# Allegro board AM335x_ICE_3H0013_PCB_REV_2_1A.brd (continued)
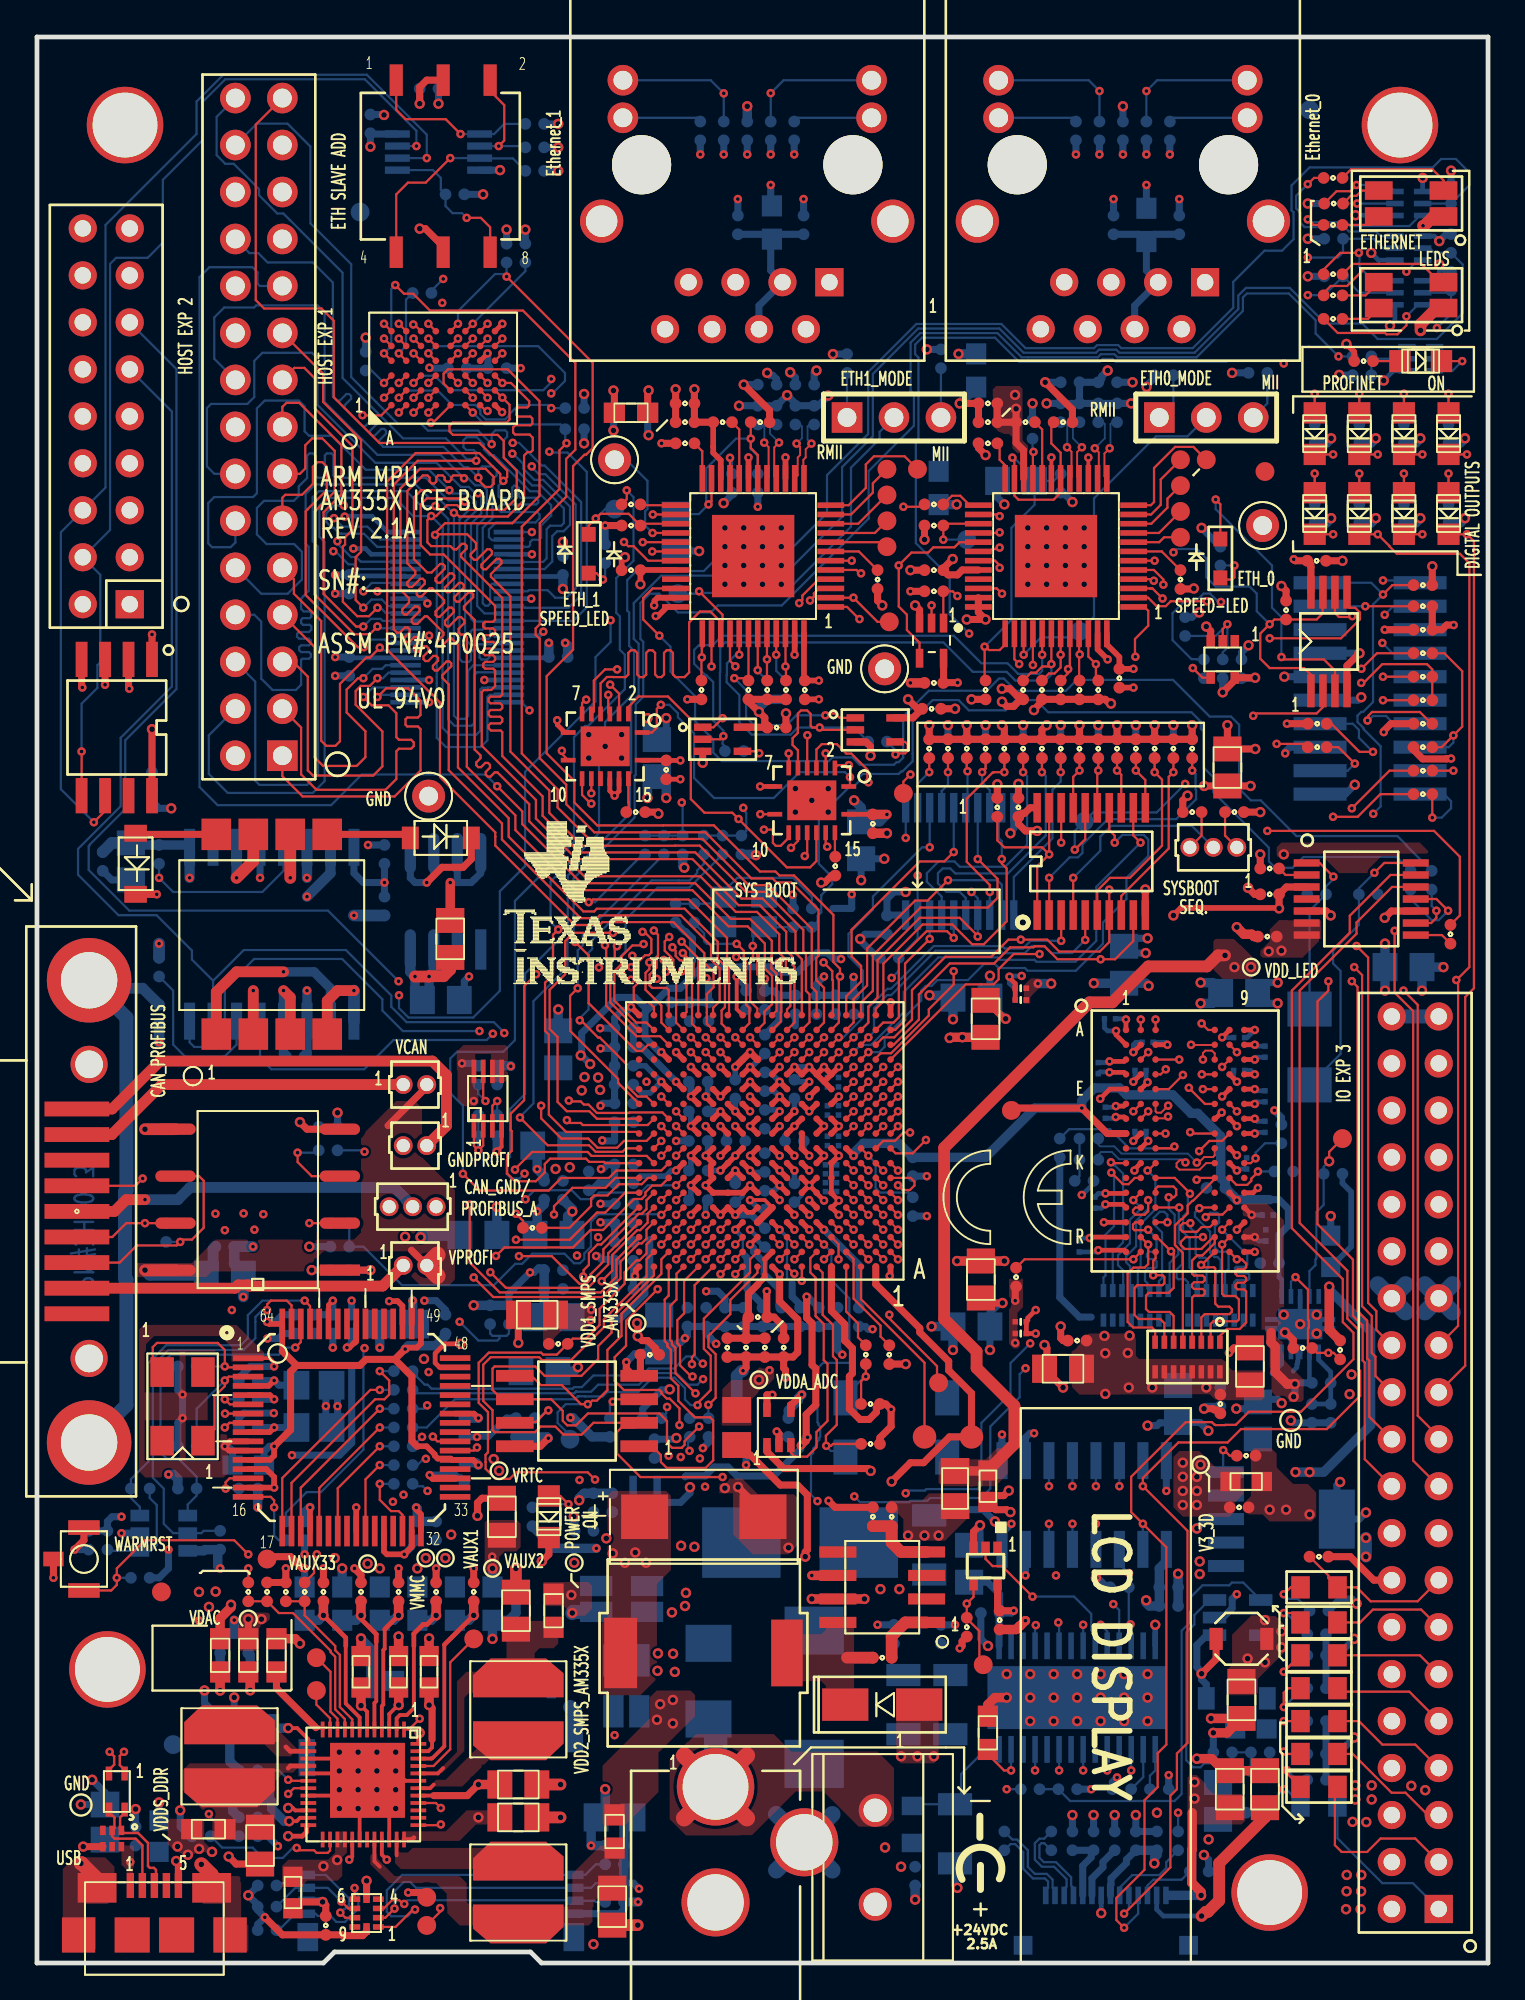
[diagram p0: board, top side]
## Routing (per net, layer and track width the routed paths; a pad name or vN(x,y) marks a point on that pad's centre or on a via; arc(x,y) is an arc through that point) (continued)
GPMC_AD15: length 105.6
  TOP w0.121: U14.U13 36.23,50.79 36.23,51.11 36.23,51.11 36.23,51.39 36.23,51.39 36.23,52.39 36.59,52.76 36.59,53.59 36.1,54.08 36.1,54.61 34.42,56.28 30.58,56.28 30.43,56.13 29.08,56.13 24.79,60.42 24.79,60.9 24.79,60.9 24.79,61.14 21.8,64.13 21.8,68.15 21.63,68.33 21.63,68.34 21.38,68.59 21.36,68.59 18.96,70.99 18.96,71.29 18.94,71.31 18.94,80.1 20.48,81.64 23.93,81.64 25,80.57 25.06,80.51 25.06,80.3 v1(25.22,80.14) 25.43,80.34 25.43,80.69 23.94,82.19 18.52,82.19 16.05,84.66 16.05,88.79 15.39,89.46 12.29,89.46 11.83,89.91 11.83,99.4 J4.29 ; U1.G6 v1(24.37,88.63)
  LYR4 w0.127: v1(24.37,88.63) 24.45,88.63 24.85,88.23 25.3,88.23 25.31,88.23 25.53,88.23 27.01,86.74 27.01,81.77 25.7,80.45 25.54,80.45 v1(25.22,80.14)
  BOTTOM w0.121: v1(25.22,80.14) 24.97,79.88 24.97,79.3 25.07,79.2 25.61,79.2 25.71,79.29 25.71,79.78 25.81,79.88 25.93,79.88 26.07,79.75 26.07,79.31 26.16,79.22 26.99,79.22 27.11,79.1 27.11,78.97 27,78.86 25.1,78.86 24.99,78.75 24.99,78.56 25.09,78.45 27.05,78.45 27.19,78.32 27.19,78.11 26.96,77.89 24.83,77.89 24.44,77.51 24.44,77.1 24.61,76.94 25.49,76.94 U26.26
GPMC_ADVN_ALE: length 76.6
  TOP w0.121: v1(41.77,49.25) U14.R7
  LYR3 w0.127: v1(41.77,49.25) 42.16,49.64 42.16,50.8 40.35,52.62 40.35,53.77 40.51,53.94 40.51,54.48 40.31,54.68 40.31,55.97 35.82,60.46 30.2,60.46 28.3,62.35 28.3,62.85 28.3,63.67 27.29,64.68 27.29,67.1 26.66,67.73 v1(26.64,67.73)
  LYR4 w0.127: v1(26.64,67.73) 26.64,73.27 26.31,73.6 26.31,76.92 v1(26.77,77.37) 29.86,80.46 29.86,81.58 30.44,82.17 30.44,90.36 24.54,96.27 15.3,96.27 J4.27
  BOTTOM w0.121: U26.48 26.2,68.17 v1(26.64,67.73) ; U26.25 v1(26.77,77.37)
GPMC_CSN0: length 49.5
  TOP w0.121: v1(23.57,83.83) U1.F1 ; U14.V6 42.17,52.5 41.93,52.74 41.91,52.76 41.91,55.92 39.54,58.28 38.49,58.28 36,60.78 34.37,60.78 34.36,60.77 29.87,60.77 28.16,62.48 28.16,63.46 26.22,65.4 26.22,77.66 28.26,79.7 28.26,81.79 v1(28.64,82.18)
  BOTTOM w0.121: v1(23.57,83.83) 24.21,83.19 28.31,83.19 R125.1 28.57,82.25 v1(28.64,82.18)
GPMC_CSN2: length 73.5
  TOP w0.121: U14.V9 40.01,51.49 40.01,53.49 39.72,53.77 39.72,54.43 39.74,54.45 39.74,55.28 38.56,56.46 37.53,56.46 35.6,58.38 29.45,58.38 26.25,61.58 26.25,62.27 v1(24.89,63.63)
  BOTTOM w0.121: J4.21 12.05,90.68 11.93,90.8 11.93,91.42 11.65,91.69 9.33,91.69 8.79,91.16 8.79,63.59 9.77,62.61 15.91,62.61 17.57,64.26 24.26,64.26 v1(24.89,63.63)
GPMC_NOR_A1: length 60.7
  TOP w0.121: U14.U5 43.37,50.85 43.37,53.15 43.43,53.21 v1(43.43,53.34) 43.43,53.77 43.08,54.12 43.08,56.67 40.95,58.8 40.16,58.8 39.94,59.02 39.11,59.02 36.61,61.51 33.88,61.51 33.87,61.51 30.3,61.51 29.07,62.75 29.07,63.91 27.57,65.41 27.57,69.58 29,71.01 29,80.94 29.61,81.55 29.7,81.55 30.06,81.92 30.06,86.53 v1(25.4,91.19) ; U1.E6 v1(22.77,88.63)
  BOTTOM w0.121: v1(22.77,88.63) 22.77,89.32 24.77,91.32 25.26,91.32 v1(25.4,91.19) R102.2
GPMC_NOR_A2: length 57.4
  TOP w0.121: v1(43.37,49.25) U14.R5 ; v1(19.57,84.63) U1.B2
  LYR3 w0.127: v1(27.81,84.07) 29.12,82.77 29.12,71.2 28.56,70.64 28.56,66.37 27.87,65.69 27.87,65.27 28.56,64.58 28.56,62.53 30.2,60.88 36,60.88 40.82,56.07 40.82,53.92 40.58,53.68 40.58,53.02 42.98,50.62 42.98,49.64 v1(43.37,49.25)
  BOTTOM w0.121: R115.2 v1(27.81,84.07) 27.64,84.24 26.05,84.24 25.55,83.74 25.55,83.69 25.32,83.46 24.27,83.46 23.98,83.75 23.98,83.98 23.71,84.24 22.46,84.24 21.67,85.02 19.96,85.02 v1(19.57,84.63)
GPMC_OEN_REN: length 88.7
  TOP w0.121: v1(41.77,50.05) U14.T7 ; v1(24.37,83.92) 24.29,83.92 U1.G1
  LYR3 w0.127: v1(41.77,50.05) 41.77,50.58 39.89,52.46 39.89,53.45 39.73,53.62 39.73,53.93 39.72,53.93 39.72,54.26 39.9,54.44 39.9,55.84 35.66,60.08 30.04,60.08 26.86,63.26 26.86,66.92 26.22,67.56 26.22,68.35 26.97,69.1 26.97,72.16 27.91,73.11 27.91,78.74 28.32,79.15 28.32,81.69 28.13,81.88 28.13,81.89 27.92,82.11 27.92,83.31 27.23,84 27.23,87.58 25.04,89.76 22,89.76 ; 22,89.76 22.35,89.41 23.54,89.41 23.98,88.97 23.98,86.38 24.78,85.58 24.78,84.24 24.45,83.92 v1(24.37,83.92) ; 22,89.76 v1(21.92,89.76) 21.55,90.13 21.55,96.29 20.38,97.46 19.98,97.46 19.83,97.31 19.83,96.59 19.68,96.44 19.47,96.44 19.32,96.59 19.32,97.31 19.17,97.46 18.96,97.46 18.82,97.31 18.82,96.59 18.67,96.44 18.46,96.44 18.31,96.59 18.31,97.31 18.16,97.46 17.95,97.46 17.8,97.31 17.8,96.59 17.65,96.44 17.44,96.44 17.29,96.59 17.29,97.31 17.14,97.46 16.93,97.46 16.78,97.31 16.78,96.59 16.63,96.44 16.42,96.44 16.28,96.59 16.28,97.31 16.13,97.46 15.92,97.46 15.77,97.31 15.77,96.59 15.62,96.44 15.41,96.44 15.26,96.59 15.26,97.31 15.11,97.46 14.7,97.46 13.27,96.03 J4.25
GPMC_WEN: length 84.3
  TOP w0.121: U1.A4 v1(18.77,87.03) ; v1(19.38,90.73) 19.85,90.26 20.35,90.26 21.26,89.35 26.29,89.35 29.12,86.51 29.12,81.82 28.62,81.33 28.62,79.28 27.19,77.85 27.19,72.38 26.97,72.16 26.97,71.82 27.19,71.59 27.19,65.14 28.63,63.71 28.63,62.66 30.15,61.14 34.21,61.14 34.22,61.14 36.15,61.14 38.64,58.64 39.79,58.64 40,58.43 40.79,58.43 42.27,56.95 42.27,54.46 42.15,54.34 42.15,53.15 42.57,52.73 42.57,50.85 U14.U6
  LYR3 w0.127: J4.23 13.54,93.49 14.51,93.49 14.66,93.34 14.66,92.05 14.81,91.9 15.02,91.9 15.16,92.05 15.16,93.34 15.31,93.49 15.52,93.49 15.67,93.34 15.67,92.05 15.82,91.9 16.03,91.9 16.18,92.05 16.18,93.34 16.33,93.49 16.54,93.49 16.69,93.34 16.69,92.05 16.84,91.9 17.05,91.9 17.2,92.05 17.2,93.34 17.35,93.49 17.56,93.49 17.7,93.34 17.7,92.05 17.85,91.9 18.06,91.9 18.21,92.05 18.21,93.34 18.36,93.49 18.92,93.49 19.38,93.03 v1(19.38,90.73)
  BOTTOM w0.121: v1(19.38,90.73) 19.16,90.51 19.16,87.42 v1(18.77,87.03)
I2C0_SCL: length 250.6
  TOP w0.121: v1(3.08,61.68) 3.68,62.29 3.68,63.12 ; R69.2 v1(11.43,21.34) ; U12.12 73.29,58.18 71.37,56.26 71.37,55.66 68.3,52.58 68.3,40.01 70.88,37.43 70.88,34.84 71.45,34.27 71.45,32.13 71.57,32.01 71.57,30.67 69.77,28.87 65.12,28.87 64.4,28.15 61.74,28.15 59.82,26.23 v1(59.82,25.78) 62.23,23.37 62.23,11.9 61.66,11.33 61.66,9.4 61.31,9.05 61.31,5.17 v1(58.8,2.67) ; v1(33.77,38.85) U14.C16
  LYR3 w0.127: v1(11.43,21.34) 12.71,22.62 16.88,22.62 17.92,23.66 21.2,23.66 22.44,24.9 27.07,24.9 28.96,26.79 30.65,26.79 31.24,26.19 35.71,26.19 36.14,25.77 v1(36.14,25.75) 36.66,26.28 36.66,26.45 36.91,26.69 37.31,26.69 37.8,26.21 42.57,26.21 43.97,24.81 48.65,24.81 50.04,26.2 59.4,26.2 v1(59.82,25.78)
  LYR4 w0.127: v1(33.77,38.85) 33.77,37.15 34.21,36.71 34.21,32.71 33.75,32.26 33.75,30.82 34.05,30.52 34.05,30.07 ; v1(11.43,21.34) 11.85,21.76 11.85,23.06 8.74,26.16 8.74,47.21 7.82,48.13 7.82,54.74 5.71,56.85 5.71,59.04 v1(3.08,61.68) ; 34.05,30.07 33.61,29.62 33.61,27.4 34.81,26.19 35.51,26.19 35.95,25.75 v1(36.14,25.75) ; 34.05,30.07 v1(34.08,30.07)
  BOTTOM w0.121: U25.6 v1(21.08,97.59) 21.08,98.86 17.84,102.1 10.08,102.1 8.63,100.65 8.63,98.9 3.71,93.97 3.71,79.78 J3.6 1.29,77.36 1.29,63.47 v1(3.08,61.68) ; v1(59.82,25.78) U31.15 ; v1(34.08,30.07) 34.04,30.02 34.04,29.72 R196.1 ; J17.5 59.06,2.93 v1(58.8,2.67)
I2C0_SDA: length 259.7
  TOP w0.121: U12.13 73.21,58.83 71.01,56.63 71.01,55.71 67.88,52.58 67.88,39.73 70.63,36.98 70.63,34.65 71.21,34.08 71.21,32.65 68.37,29.81 65.55,29.81 64.84,29.1 64.28,29.1 64.27,29.09 63.75,29.09 63.73,29.1 63.7,29.1 63.55,29.25 62.14,29.25 59.18,26.29 59.18,24.38 v1(59.82,23.75) 61.09,22.48 61.09,11.81 60.62,11.34 60.62,9.51 59.9,8.8 59.9,5.04 58.38,3.52 58.38,2.32 v1(58.8,1.91) ; U14.C17 32.97,38.85 32.97,38.37 32.59,37.99 32.43,37.99 31.79,37.35 31.79,36.73 30.43,35.37 30.43,34.49 29.7,33.76 28.98,33.76 R61.1 28.12,32.9 27.37,32.9 27.26,33 24.44,33 23.89,32.46 23.89,30.29 24.39,29.79 24.39,27.61 24.26,27.48 24.26,27.08 24.27,27.08 24.27,26.72 24.81,26.18 25.57,26.18 25.92,26.53 29.79,26.53 v1(30.18,26.14) ; R72.2 14.99,21.08 14.99,21.95 v1(15.14,22.1) ; U6.5 v1(2.41,65.51)
  LYR3 w0.127: v1(59.82,23.75) 58.71,22.64 45.77,22.64 43,25.41 41.94,25.41 41.52,24.99 31.69,24.99 30.54,26.14 v1(30.18,26.14) 29.79,26.54 29.17,26.54 27.29,24.65 22.69,24.65 21.41,23.37 18.59,23.37 17.59,22.36 15.91,22.36 15.64,22.1 v1(15.14,22.1)
  LYR4 w0.127: v1(15.14,22.1) 15.14,22.45 13.86,23.73 11.54,23.73 9,26.27 9,47.59 8.22,48.37 8.22,54.71 6.01,56.92 6.01,61.02 4.06,62.97 4.06,63.86 v1(2.41,65.51)
  BOTTOM w0.121: v1(58.8,1.91) 59.56,2.67 59.56,3.66 ; v1(2.41,65.51) 2.41,68.09 3.27,68.94 3.27,70.17 3.43,70.33 3.43,75.06 J3.4 3.95,77.49 3.95,91.87 4.28,92.2 5.98,92.2 6.81,93.02 6.81,96.42 8.95,98.56 8.95,100.62 10.18,101.85 17.73,101.85 20.52,99.06 v1(20.52,98.24) U25.7 ; U31.2 v1(59.82,23.75)
INDUS_INPUT0: length 8.8
  BOTTOM w0.121: R226.1 70.34,6.75 72.77,4.32 74.42,4.32 J14.1
INDUS_INPUT1: length 9.8
  TOP w0.121: J14.3 74.55,6.73 72.67,6.73 71.95,6 70.57,6 70.2,6.37 70.2,9.39 R84.1
INDUS_INPUT2: length 6.8
  TOP w0.121: J14.5 75.23,8 74.02,9.21 73.27,9.21 71.17,11.3 R83.1
INDUS_INPUT3: length 6.5
  TOP w0.121: J14.7 74.55,11.81 72.77,11.81 71.5,13.08 R81.1
INDUS_INPUT4: length 6.2
  TOP w0.121: J14.9 74.23,14.67 70.53,14.67 R80.1
INDUS_INPUT5: length 5.9
  TOP w0.121: J14.11 74.8,16.64 R79.1
INDUS_INPUT6: length 6.2
  TOP w0.121: J14.13 74.87,19.11 72.26,19.11 71.57,18.41 R74.1
INDUS_INPUT7: length 8.5
  TOP w0.121: J14.15 74.68,19.56 72.14,19.56 71.38,20.31 R68.1 69.85,20.81 69.85,20.95 R243.2
INDUS_INPUTSO: length 9.4
  TOP w0.121: v1(53.85,19.81) 52.2,21.46 51.69,21.46 51.31,21.84 U20.2
  BOTTOM w0.121: U35.23 57.24,17.79 57.02,18 57.02,18.88 56.09,19.81 v1(53.85,19.81)
IREF: length 3.1
  BOTTOM w0.121: R232.1 61.91,4.51 60.39,4.51 60.06,4.18 J17.3
JTAG_EMU0: length 109.9
  TOP w0.121: R25.1 75.43,67.01 74.8,67.64 72.21,67.64 72.02,67.45 72.02,67.24 v1(71.97,67.18) ; v1(35.37,38.85) U14.C14
  LYR3 w0.127: v1(20.83,28.45) 20.83,27.69 20.62,27.48 20.62,27.09 20.9,26.8 23.41,26.8 24.1,26.11 27.06,26.11 28.5,27.55 33.43,27.55 33.55,27.43 v1(34.16,27.43)
  LYR4 w0.127: v1(34.16,27.43) 34.16,27.71 33.86,28.01 33.86,29.25 34.69,30.08 34.69,32.83 35.47,33.61 35.47,33.96 34.98,34.45 34.98,38.46 v1(35.37,38.85) 35.6,38.85 36,38.45 36.33,38.45 36.57,38.21 36.57,37.09 42.67,30.99 48.97,30.99 49.57,30.39 52.84,30.39 53.18,30.05 59.31,30.05 59.65,30.39 60.27,30.39 61.71,31.84 64.55,31.84 66.34,33.63 66.34,34.62 68.13,36.41 68.35,36.41 69.15,37.21 69.15,57 69.4,57.26 69.4,64.62 v1(71.97,67.18)
  BOTTOM w0.121: R202.1 v1(20.83,28.45) ; J15.13 73.39,67.01 72.98,67.43 72.26,67.43 72.02,67.18 v1(71.97,67.18)
JTAG_EMU1: length 106.4
  TOP w0.121: v1(35.37,38.05) U14.B14 ; v1(72.26,65.49) 71.53,65.49 70.01,67.01 R24.1
  LYR3 w0.127: v1(21.13,25.53) 26.98,25.53 28.75,27.3 33.05,27.3 33.34,27.01 34.47,27.01 v1(34.82,27.36)
  LYR4 w0.127: v1(34.82,27.36) 34.82,27.41 34.11,28.12 34.11,29.04 35.01,29.94 35.01,32.2 35.01,32.21 35.01,32.55 35.01,32.56 35.01,32.79 35.72,33.5 35.72,35.52 35.37,35.88 v1(35.37,38.05) 35.69,37.73 35.69,37.62 42.57,30.73 48.74,30.73 49.33,30.14 52.74,30.14 53.08,29.8 59.42,29.8 59.76,30.14 60.37,30.14 61.82,31.58 65.01,31.58 66.85,33.43 66.85,34.12 67.3,34.57 67.62,34.57 67.91,34.86 67.91,35.6 69.4,37.1 69.4,56.9 69.66,57.15 69.66,63.82 71.32,65.49 v1(72.26,65.49)
  BOTTOM w0.121: J15.14 71.17,67.01 71.5,66.67 71.5,66.25 v1(72.26,65.49) ; R204.1 20.45,25.78 20.88,25.78 v1(21.13,25.53)
JTAG_TCK: length 113.2
  TOP w0.121: U14.A12 v1(36.97,37.25) ; v1(71.63,69.22) 71.75,69.22 72.77,70.23 75.18,70.23 75.47,69.94 R22.2 R23.2
  LYR3 w0.127: v1(17.72,33.25) 18.11,32.85 19,32.85 20.62,31.23 31.64,31.23 33.77,33.36 35.23,33.36 36.97,35.11 v1(36.97,37.25)
  LYR4 w0.127: v1(71.63,69.22) 69.15,66.73 69.15,57.4 68.89,57.15 68.89,37.31 68.25,36.66 68.03,36.66 65.84,34.48 65.84,33.76 64.33,32.25 60.79,32.25 59.86,31.31 59.86,31.25 58.91,30.3 53.29,30.3 52.95,30.65 49.9,30.65 49.3,31.24 42.98,31.24 v1(36.97,37.25)
  BOTTOM w0.121: v1(17.72,33.25) 17.66,33.19 17.66,27.76 15.36,25.46 14.59,25.46 13.46,24.34 R209.1
JTAG_TDI: length 99.9
  TOP w0.121: U14.B11 v1(37.77,38.05)
  LYR3 w0.127: v1(36.03,31.57) 36.03,31.71 38.16,33.85 38.16,37.66 v1(37.77,38.05)
  LYR4 w0.127: v1(72.9,72.9) 72.15,72.15 71.37,72.15 68.64,69.42 68.64,57.78 68.39,57.53 68.39,38.57 62.61,32.79 60.6,32.79 59.73,31.92 58.31,31.92 58.13,31.74 49.91,31.74 49.73,31.92 46.32,31.92 45.72,32.51 44.87,32.51 44.02,33.37 41.87,33.37 38.61,36.63 38.61,37.21 v1(37.77,38.05)
  BOTTOM w0.121: R192.1 20.5,30.81 29.08,30.81 29.15,30.88 29.17,30.88 29.19,30.89 29.19,30.89 29.97,30.89 30.35,31.27 32.57,31.27 33.19,31.9 34.59,31.9 35.21,31.27 35.73,31.27 v1(36.03,31.57) ; v1(72.9,72.9) 73.36,73.36 J15.3
JTAG_TDO: length 98
  TOP w0.121: U14.A11 v1(37.77,37.25)
  LYR3 w0.127: v1(36.02,32.41) 36.36,32.75 36.6,32.75 37.77,33.92 v1(37.77,37.25)
  LYR4 w0.127: v1(72.77,71.37) 72.73,71.33 71.25,71.33 68.89,68.97 68.89,57.66 68.64,57.4 68.64,38.46 62.71,32.53 60.7,32.53 59.76,31.58 58.86,31.58 58.52,31.24 57.59,31.24 56.99,30.65 53.66,30.65 53.32,30.99 50.15,30.99 49.48,31.66 45.69,31.66 45.15,32.19 42.69,32.19 38.35,36.53 38.35,36.66 v1(37.77,37.25)
  BOTTOM w0.121: J15.7 73.32,70.82 v1(72.77,71.37) ; R190.1 20.4,32 20.55,31.85 20.55,31.69 20.97,31.27 21.13,31.27 21.35,31.05 28.97,31.05 29.06,31.14 29.47,31.14 30.1,31.77 32.71,31.77 33.09,32.14 34.46,32.14 35.11,32.8 35.6,32.8 35.99,32.41 v1(36.02,32.41)
JTAG_TMS: length 102.3
  TOP w0.121: v1(37.77,38.85) U14.C11
  LYR3 w0.127: v1(21.1,30.15) 21.18,30.15 21.93,30.9 32,30.9 34.17,33.06 35.65,33.06 37.36,34.77 37.36,37.41 37.13,37.64 36.82,37.64 36.58,37.89 36.58,38.21 36.81,38.45 37.18,38.45 37.58,38.85 v1(37.77,38.85)
  LYR4 w0.127: v1(37.77,38.85) 37.89,38.85 42.31,34.42 44.12,34.42 44.93,33.62 51.98,33.62 52.51,33.08 54.16,33.08 54.3,32.95 54.79,32.95 55.28,33.44 57.93,33.44 57.95,33.45 60.12,33.45 60.47,33.81 62.76,33.81 67.88,38.92 67.88,57.78 67.91,57.81 67.91,62.86 66.63,64.14 66.63,70.74 70.65,74.76 v1(72.8,74.76)
  BOTTOM w0.121: J15.1 74.68,74.76 v1(72.8,74.76) ; v1(21.1,30.15) 20.93,29.97 R194.1
JTAG_TRSTN: length 113.9
  TOP w0.121: v1(35.73,30.16) 35.73,30.27 36.44,30.98 36.44,32.84 36.07,33.21 36.07,34.84 38.57,37.34 38.57,38.05 U14.B10 ; R14.2 73.31,74.5 v1(72.8,74)
  LYR4 w0.127: v1(35.73,30.16) 36.13,29.76 45.39,29.76 45.79,29.37 45.91,29.25 52.48,29.25 53.5,28.23 58.21,28.23 58.57,28.59 60.47,28.59 61.13,29.25 67.06,29.25 67.62,29.81 67.85,29.81 69.43,31.39 69.43,33.16 70.62,34.36 70.62,38.38 71.01,38.77 71.01,47.56 71.88,48.43 71.88,55.29 71.84,55.33 71.84,61.7 v1(72.28,62.14)
  BOTTOM w0.121: J15.2 72.17,74.63 v1(72.8,74) 72.26,73.46 72.26,73.19 72.26,68.71 72.27,68.7 72.27,68.2 72.26,68.2 72.26,68.18 71.73,67.65 71.63,67.65 71.43,67.45 71.43,67.1 71.75,66.78 71.75,66.72 72.68,65.79 72.68,62.54 v1(72.28,62.14) ; R201.1 21.08,28.96 22.61,30.48 29.1,30.48 29.25,30.63 29.27,30.64 29.29,30.64 29.29,30.64 29.64,30.64 29.65,30.63 30.61,30.63 30.85,30.87 32.52,30.87 33.3,31.65 34.49,31.65 35.05,31.09 35.05,30.47 35.36,30.16 v1(35.73,30.16)
LATCH0_IN: length 59.4
  TOP w0.121: U14.D18 30.9,38.38 30.9,37.77 30.16,37.03 30.16,36.86 29.8,36.5 25.37,36.5 v1(24.52,37.35)
  LYR3 w0.127: J3.3 5.52,76.01 7.24,74.3 7.24,67.2 11.43,63.01 11.43,58.41 15.79,54.05 15.79,42.63 18.67,39.75 22.12,39.75 v1(24.52,37.35)
LATCH1_IN: length 64.5
  TOP w0.121: U14.D17 32.97,39.65 32.97,39.17 32.71,38.91 32.55,38.91 31.56,37.92 31.56,37.01 30.56,36.01 24.68,36.01 v1(23.62,37.07)
  LYR3 w0.127: J3.5 3.93,77.46 3.93,72.49 5.46,70.95 5.46,66.45 10.38,61.53 10.38,58.5 15.44,53.44 15.44,42.35 19.01,38.77 21.92,38.77 v1(23.62,37.07)
LCD_BST_CONV_CTL: length 65.7
  TOP w0.121: v1(34.57,41.25) U14.F15
  LYR3 w0.127: v1(30.35,39.24) 30.48,39.37 32.24,39.37 33.25,40.38 33.25,40.49 33.62,40.86 33.93,40.86 34.33,41.25 v1(34.57,41.25)
  LYR4 w0.127: v1(30.35,39.24) 30.64,38.96 30.64,37.59 29.27,36.23 29.27,32.9 28.79,32.41 28.79,32.02 29.37,31.44 29.37,30.04 29.59,29.83 29.59,29.46 29.76,29.28 29.76,25.96 29.8,25.93 29.8,24.5 29.56,24.26 29.56,22.13 31.02,20.68 35.15,20.68 35.39,20.43 35.88,19.95 35.88,18.25 35.39,17.77 33.87,17.77 30.82,14.72 30.82,12.15 31.07,11.9 49.95,11.9 v1(52.45,9.4)
  BOTTOM w0.121: R225.2 v1(52.45,9.4)
LED_1: length 111
  TOP w0.121: v1(34.57,45.25) U14.K15
  LYR3 w0.127: v1(34.57,45.25) 34.96,44.86 34.96,43.49 34.73,43.26 33.2,43.26 33.02,43.43 30.12,43.43 29.87,43.69 27.22,43.69 26.37,42.84 v1(26.37,42.69)
  BOTTOM w0.121: v1(26.37,42.69) 26.1,42.42 25.65,42.42 25.4,42.67 25.4,43.4 25.59,43.58 25.59,46.18 26.4,46.99 26.4,53.5 28.71,55.81 28.71,58.79 32.08,62.16 32.08,64.29 32.14,64.36 32.14,68.16 32.54,68.57 32.54,71.33 32.28,71.6 32.28,73.53 33.77,75.02 36.81,75.02 36.81,75.02 40.37,75.02 43.55,78.2 43.55,80.89 45.21,82.55 45.21,85.92 47.67,88.38 52.06,88.38 53.36,87.07 57.28,87.07 57.45,87.23 58.38,87.23 58.54,87.07 62.62,87.07 64.98,89.43 64.98,90.16 65.39,90.57 67.76,90.57 69.69,88.65 71.68,88.65 72.52,87.81 75.72,87.81 77.12,89.21 77.12,91.84 R107.2 75.6,92.47 75.34,92.72 Q2.5
LED_2: length 105.1
  TOP w0.121: U14.J18 31.86,44.05 31.67,43.86 30.22,43.86 29.86,44.21 27.62,44.21 v1(26.12,45.71)
  LYR4 w0.127: v1(70.4,86.87) 70.03,87.24 70.03,87.79 72.64,90.41 72.64,94.24 71.74,95.14 v1(71.41,95.14)
  BOTTOM w0.121: v1(26.12,45.71) 26.12,45.75 26.85,46.48 26.85,52.01 28.69,53.85 28.69,55.38 29.03,55.71 29.03,58.64 32.32,61.94 32.32,64.19 32.39,64.26 32.39,68.06 32.79,68.46 32.79,71.44 32.64,71.59 32.64,73.53 33.15,74.04 33.66,74.04 34.67,73.03 36.45,73.03 36.83,73.41 40.29,73.41 44.98,78.1 44.98,80.67 47.43,83.12 47.43,84.84 47.25,85.01 47.25,87.61 47.77,88.13 51.95,88.13 53.26,86.82 53.59,86.82 53.59,86.82 57.38,86.82 57.55,86.99 58.28,86.99 58.44,86.82 62.72,86.82 65.23,89.33 65.23,90.06 65.44,90.27 67.71,90.27 69.16,88.82 69.16,88.11 v1(70.4,86.87) R126.2 ; Q1.2 v1(71.41,95.14) R104.2
LED_3: length 102.9
  TOP w0.121: U14.K18 32.48,44.94 28.62,44.94 27.69,45.87 27.69,50.2 27.48,50.4 27.48,53.01 27.91,53.44 27.91,55.6 v1(28.19,55.88)
  BOTTOM w0.121: Q1.5 R103.2 77.47,96.12 77.47,96.82 76.75,97.55 75.96,97.55 75.5,97.09 68.83,97.09 67.86,96.11 67.86,94.77 67.97,94.66 67.97,93.21 67.35,92.59 66.39,92.59 64.71,90.9 64.71,89.51 62.52,87.32 58.65,87.32 58.48,87.48 57.34,87.48 57.18,87.32 53.47,87.32 52.16,88.62 47.56,88.62 44.96,86.02 44.96,82.68 42.73,80.45 42.73,78.39 40.43,76.09 36.9,76.09 36.07,75.26 32.42,75.26 31.92,74.77 31.92,73.12 32.03,73.02 32.03,71.21 32.3,70.95 32.3,68.67 30.73,67.1 30.73,66.64 30.27,66.18 30.27,65.59 30.4,65.46 30.4,61.1 27.78,58.48 27.78,56.3 v1(28.19,55.88)
LED_4: length 78.2
  TOP w0.121: TP37.1 46.86,63.88 v1(47.24,64.26) ; v1(40.11,54.1) 40.26,53.95 40.26,51.42 40.23,51.39 40.23,50.91 U14.U9
  LYR4 w0.127: v1(67.44,86.49) 70.19,86.49 70.23,86.45 73.77,86.45 v1(75.72,88.4) ; v1(40.11,54.1) 40.11,54.72 43.34,57.95 43.34,58.2 45.76,60.62 46.17,60.62 46.88,61.33 46.88,63.9 v1(47.24,64.26) 48.73,65.75 48.73,67.57 50.42,69.26 v1(50.42,71.88)
  BOTTOM w0.121: v1(75.72,88.4) 76.49,89.17 R109.2 76.36,90.31 Q3.2 ; v1(67.44,86.49) 67.31,86.61 64.38,86.61 64.34,86.57 58.34,86.57 58.17,86.74 57.65,86.74 57.48,86.57 53.13,86.57 51.82,87.88 47.87,87.88 47.5,87.51 47.5,86.99 47.68,86.81 47.68,82.42 47.54,82.28 47.54,76.77 49.37,74.94 49.37,72.93 49.83,72.48 49.83,72.45 50.1,72.18 50.12,72.18 v1(50.42,71.88)
MDIO_CLK: length 17.1
  TOP w0.121: U14.M18 31.43,47.59 31.43,47.8 28.84,50.4 28.84,52.29 v1(29.25,52.7)
  BOTTOM w0.121: v1(29.25,52.7) 29.25,54.75 29.53,55.03 29.53,55.56 R149.2
MDIO_DATA: length 19.5
  TOP w0.121: U14.M17 32.97,46.85 32.49,46.85 31.88,47.46 31.88,48.61 30.44,50.04 30.35,50.04 29.42,50.97 v1(29.36,50.97)
  BOTTOM w0.121: v1(29.36,50.97) 29.36,51.08 29.84,51.56 29.84,54.63 30.03,54.83 30.03,55.31 33.26,58.54 34.72,58.54 34.73,58.53 35.3,58.53 35.71,58.94 35.71,59.08 36.07,59.44 R147.2
MMC0_CLK: length 57.8
  TOP w0.121: v1(25.91,40.51) 26.29,40.13 R58.1 ; U24.6 17.18,3.46 v1(17.18,4.06)
  LYR4 w0.127: v1(25.91,40.51) 25.4,40.01 25.4,37.78 25.74,37.44 25.74,34.42 25.57,34.24 25.57,31.47 26.23,30.81 26.23,27.45 26.45,27.22 26.45,26.01 26,25.56 26,24.74 25.17,23.91 25.17,19.81 26.5,18.48 26.5,8.88 22.52,4.89 19.83,4.89 19.47,4.53 18.97,4.53 18.83,4.39 18.83,2.93 18.61,2.71 18.36,2.71 18.25,2.82 18.25,3.86 18.13,3.97 17.81,3.97 17.7,3.86 17.7,2.82 17.59,2.71 17.31,2.71 17.18,2.84 v1(17.18,4.06)
  BOTTOM w0.121: R237.1 13.08,1.78 13.97,2.66 J16.5 15.07,2.66 15.19,2.54 15.87,2.54 16.2,2.22 16.66,2.22 17.38,2.95 17.38,3.71 17.18,3.91 v1(17.18,4.06)
MMC0_CMD: length 65.8
  TOP w0.121: U24.3 18.76,2.95 19.21,3.4 19.59,3.4 19.81,3.18 19.85,3.18 v1(19.86,3.19) ; v1(27.97,40.47) 27.97,40.92 28.96,41.91 30.75,41.91 31.29,42.45 U14.G18
  LYR4 w0.127: v1(19.86,3.19) 19.86,2.88 20.27,2.47 20.62,2.47 21.66,3.51 26.88,3.51 29.43,6.06 29.43,16.47 28.34,17.56 28.34,18.88 27.79,19.43 27.79,21.94 27.24,22.49 27.24,25.36 27.47,25.59 27.47,27.65 27.24,27.87 27.24,31.23 27.14,31.34 27.14,33.1 27.35,33.31 27.35,39.85 v1(27.97,40.47)
  BOTTOM w0.121: R235.1 30.23,3.3 30.16,3.36 J16.3 29.07,3.39 20.04,3.39 19.84,3.19 v1(19.86,3.19)
MMC0_DAT0: length 65.4
  TOP w0.121: v1(16.46,3.33) 16.84,2.95 U24.7 ; U14.G16 33.76,42.04 33.28,42.04 32.91,41.67 32.91,41.51 32.71,41.31 32.29,41.31 30.62,39.63 29.94,39.63 29,38.69 25.29,38.69 v1(24.83,38.23)
  LYR4 w0.127: v1(24.83,38.23) 24.83,37.64 25.23,37.23 25.23,34.63 25.06,34.46 25.06,31.26 25.72,30.6 25.72,27.24 25.95,27.01 25.95,26.22 25.49,25.77 25.49,25.18 24.17,23.86 24.17,20.1 26,18.27 26,9.17 23.43,6.6 22.38,6.6 22.27,6.49 22.27,5.74 22.15,5.63 22,5.63 21.88,5.74 21.88,6.49 21.77,6.6 21.62,6.6 21.5,6.49 21.5,5.74 21.39,5.63 21.23,5.63 21.12,5.74 21.12,6.49 21.01,6.6 20.85,6.6 20.74,6.49 20.74,5.74 20.63,5.63 20.47,5.63 20.36,5.74 20.36,6.49 20.25,6.6 19.71,6.6 19.57,6.45 19.57,5.55 19.07,5.06 17.46,5.06 16.65,4.25 16.65,3.51 v1(16.46,3.33)
  BOTTOM w0.121: v1(16.46,3.33) 15.73,4.06 J16.7 13.97,4.06 R236.1
MMC0_DAT1: length 64.9
  TOP w0.121: v1(16.4,2.72) 16.68,2.45 U24.8 ; v1(34.57,42.05) U14.G15
  LYR4 w0.127: v1(16.4,2.72) 15.92,3.21 15.92,3.5 15.9,3.51 15.9,3.93 19.05,7.07 22.41,7.07 25.34,10 25.34,18.24 23.2,20.37 23.2,22.34 23.36,22.49 23.36,24.38 23.36,24.38 24.9,25.92 25.28,25.92 25.69,26.33 25.69,26.91 25.46,27.14 25.46,29.78 24.8,30.44 24.8,34.61 24.98,34.79 24.98,36.23 24.1,37.11 24.1,39.43 25.96,41.29 v1(26.42,41.29)
  BOTTOM w0.121: R234.1 13.08,4.32 13.72,4.32 14.16,4.76 J16.8 15.61,4.76 16.88,3.5 16.88,3.15 16.64,2.91 16.59,2.91 v1(16.4,2.72) ; v1(34.57,42.05) 33.03,42.05 32.64,41.66 30.4,41.66 30.04,41.3 29.4,41.3 28.92,41.79 26.91,41.79 v1(26.42,41.29)
MMC0_DAT2: length 66.9
  TOP w0.121: U14.F18 31.81,41.65 30.73,40.58 30.29,40.58 28.82,39.11 v1(25.91,39.11) ; v1(20.45,2.89) 20.34,2.89 19.4,1.95 U24.1
  LYR4 w0.127: v1(25.91,39.11) 27.09,37.93 27.09,33.41 26.88,33.2 26.88,31.23 26.99,31.13 26.99,27.77 27.22,27.54 27.22,25.7 26.84,25.32 26.84,19.87 27.61,19.09 27.61,8.16 23.43,3.98 21.53,3.98 v1(20.45,2.89)
  BOTTOM w0.121: R231.1 30.23,5.33 29.66,4.76 J16.1 19.75,4.76 18.92,3.93 18.92,2.77 19.17,2.53 20.05,2.53 20.42,2.89 v1(20.45,2.89)
MMC0_DAT3: length 65.5
  TOP w0.121: v1(26.07,38.22) 27.84,38.22 29.34,36.73 29.71,36.73 29.94,36.96 29.94,37.23 30.63,37.93 30.63,38.59 32.55,40.51 32.71,40.51 32.97,40.77 32.97,41.25 U14.F17 ; v1(19.34,2.94) 18.84,2.45 U24.2
  LYR4 w0.127: v1(26.07,38.22) 26.07,37.83 26.25,37.65 26.25,37.16 26.63,36.79 26.63,31.13 26.73,31.02 26.73,27.66 26.96,27.44 26.96,25.8 26.58,25.42 26.58,19.41 27.11,18.88 27.11,8.71 22.79,4.39 20.06,4.39 19.4,3.73 19.4,3.01 v1(19.34,2.94)
  BOTTOM w0.121: R233.1 30.23,4.32 29.97,4.06 J16.2 20.5,4.06 20.19,4.38 19.84,4.38 19.34,3.88 v1(19.34,2.94)
MUX_MII_CTL1: length 47.5
  TOP w0.121: U9.1 33.26,66.54 33.53,66.8 33.53,67.81 v1(33.74,68.03) ; v1(31.15,55.7) 29.02,55.7 28.57,55.25 28.57,53.46 27.73,52.62 27.73,50.5 28.16,50.07 28.16,46.56 28.66,46.06 29.88,46.06 30.28,45.65 U14.L18 ; v1(43.98,64.12) 43.98,63.68 U11.1
  LYR4 w0.127: v1(31.15,55.7) 31.15,55.85 31.19,55.88 31.19,60.3 32.33,61.43 32.33,64.35 33.57,65.59 33.57,67.5 33.7,67.64 33.7,67.99 v1(33.74,68.03)
  BOTTOM w0.121: v1(43.98,64.12) 43.7,64.39 42.95,64.39 42.94,64.39 41.25,64.39 39.85,62.99 36.62,62.99 35.54,64.07 35.54,66.49 34.67,67.36 34.67,67.57 34.21,68.03 v1(33.74,68.03)
Net_52: length 0.6
  TOP w0.121: v1(19.57,85.43) 19.97,85.83
Net_53: length 0.6
  TOP w0.121: 20.77,86.63 v1(20.37,87.03)
Net_54: length 0.6
  TOP w0.121: v1(21.17,85.43) 21.57,85.83
NOR_READY: length 1.8
  TOP w0.121: v1(18.77,85.43) U1.A3
  BOTTOM w0.121: v1(18.77,85.43) 18.1,86.11 R111.1
NOR_RP: length 4.1
  TOP w0.121: U1.B4 v1(19.57,87.03)
  BOTTOM w0.121: R105.2 19.96,89.94 19.96,87.42 v1(19.57,87.03)
OSC0_OUT: length 8.2
  TOP w0.121: v1(37.85,55.11) 37.86,55.11 38.23,54.74 38.23,54.4 38.35,54.28 38.35,51.82 38.53,51.64 38.53,50.81 U14.U11
  BOTTOM w0.121: v1(37.85,55.11) 36.23,55.11 36.09,55.24 36.09,55.67 35.56,56.2 R156.1
OSC0_OUT1: length 9.2
  BOTTOM w0.121: C99.1 R156.2 36.13,57.28 36.14,57.29 36.79,57.29 Y3.1 37.13,57.93 37.87,58.67 40.9,58.67 41.91,57.67 R172.1
OSC1_IN: length 13.6
  TOP w0.121: U14.A6 42.49,37.33 42.49,35.05 42.75,34.79 42.76,34.79 43.06,34.5 43.06,32.81 43.26,32.61 43.26,29.1 42.67,28.51 42.67,27.99 v1(42.69,27.96) 42.95,27.96 43.05,28.07 C42.2
  BOTTOM w0.121: Y4.4 43.4,27.69 42.94,27.69 42.69,27.93 v1(42.69,27.96)
OSC1_OUT: length 4.7
  TOP w0.121: R64.1 44.83,33.4 44.83,33.41 44.7,33.53 44.7,33.54 44.41,33.83 44.41,34.59 43.77,35.22 U14.A4
OSC1_OUT1: length 3.9
  TOP w0.121: C40.2 44.58,31.46 v1(44.83,31.71) R64.2
  BOTTOM w0.121: Y4.1 43.81,30.64 43.81,30.76 44.77,31.71 v1(44.83,31.71)